# Altium PCB Mutiple_V1.PcbDoc (part 3 of 3)
Units mil, origin at the board's own origin, x right, y up, seen from the top; angles counter-clockwise.
Board outline 6720 x 5120 mil, 2 copper layers (Top Layer, Bottom Layer); 514 components, 299 nets, 1181 pads, 177 vias.
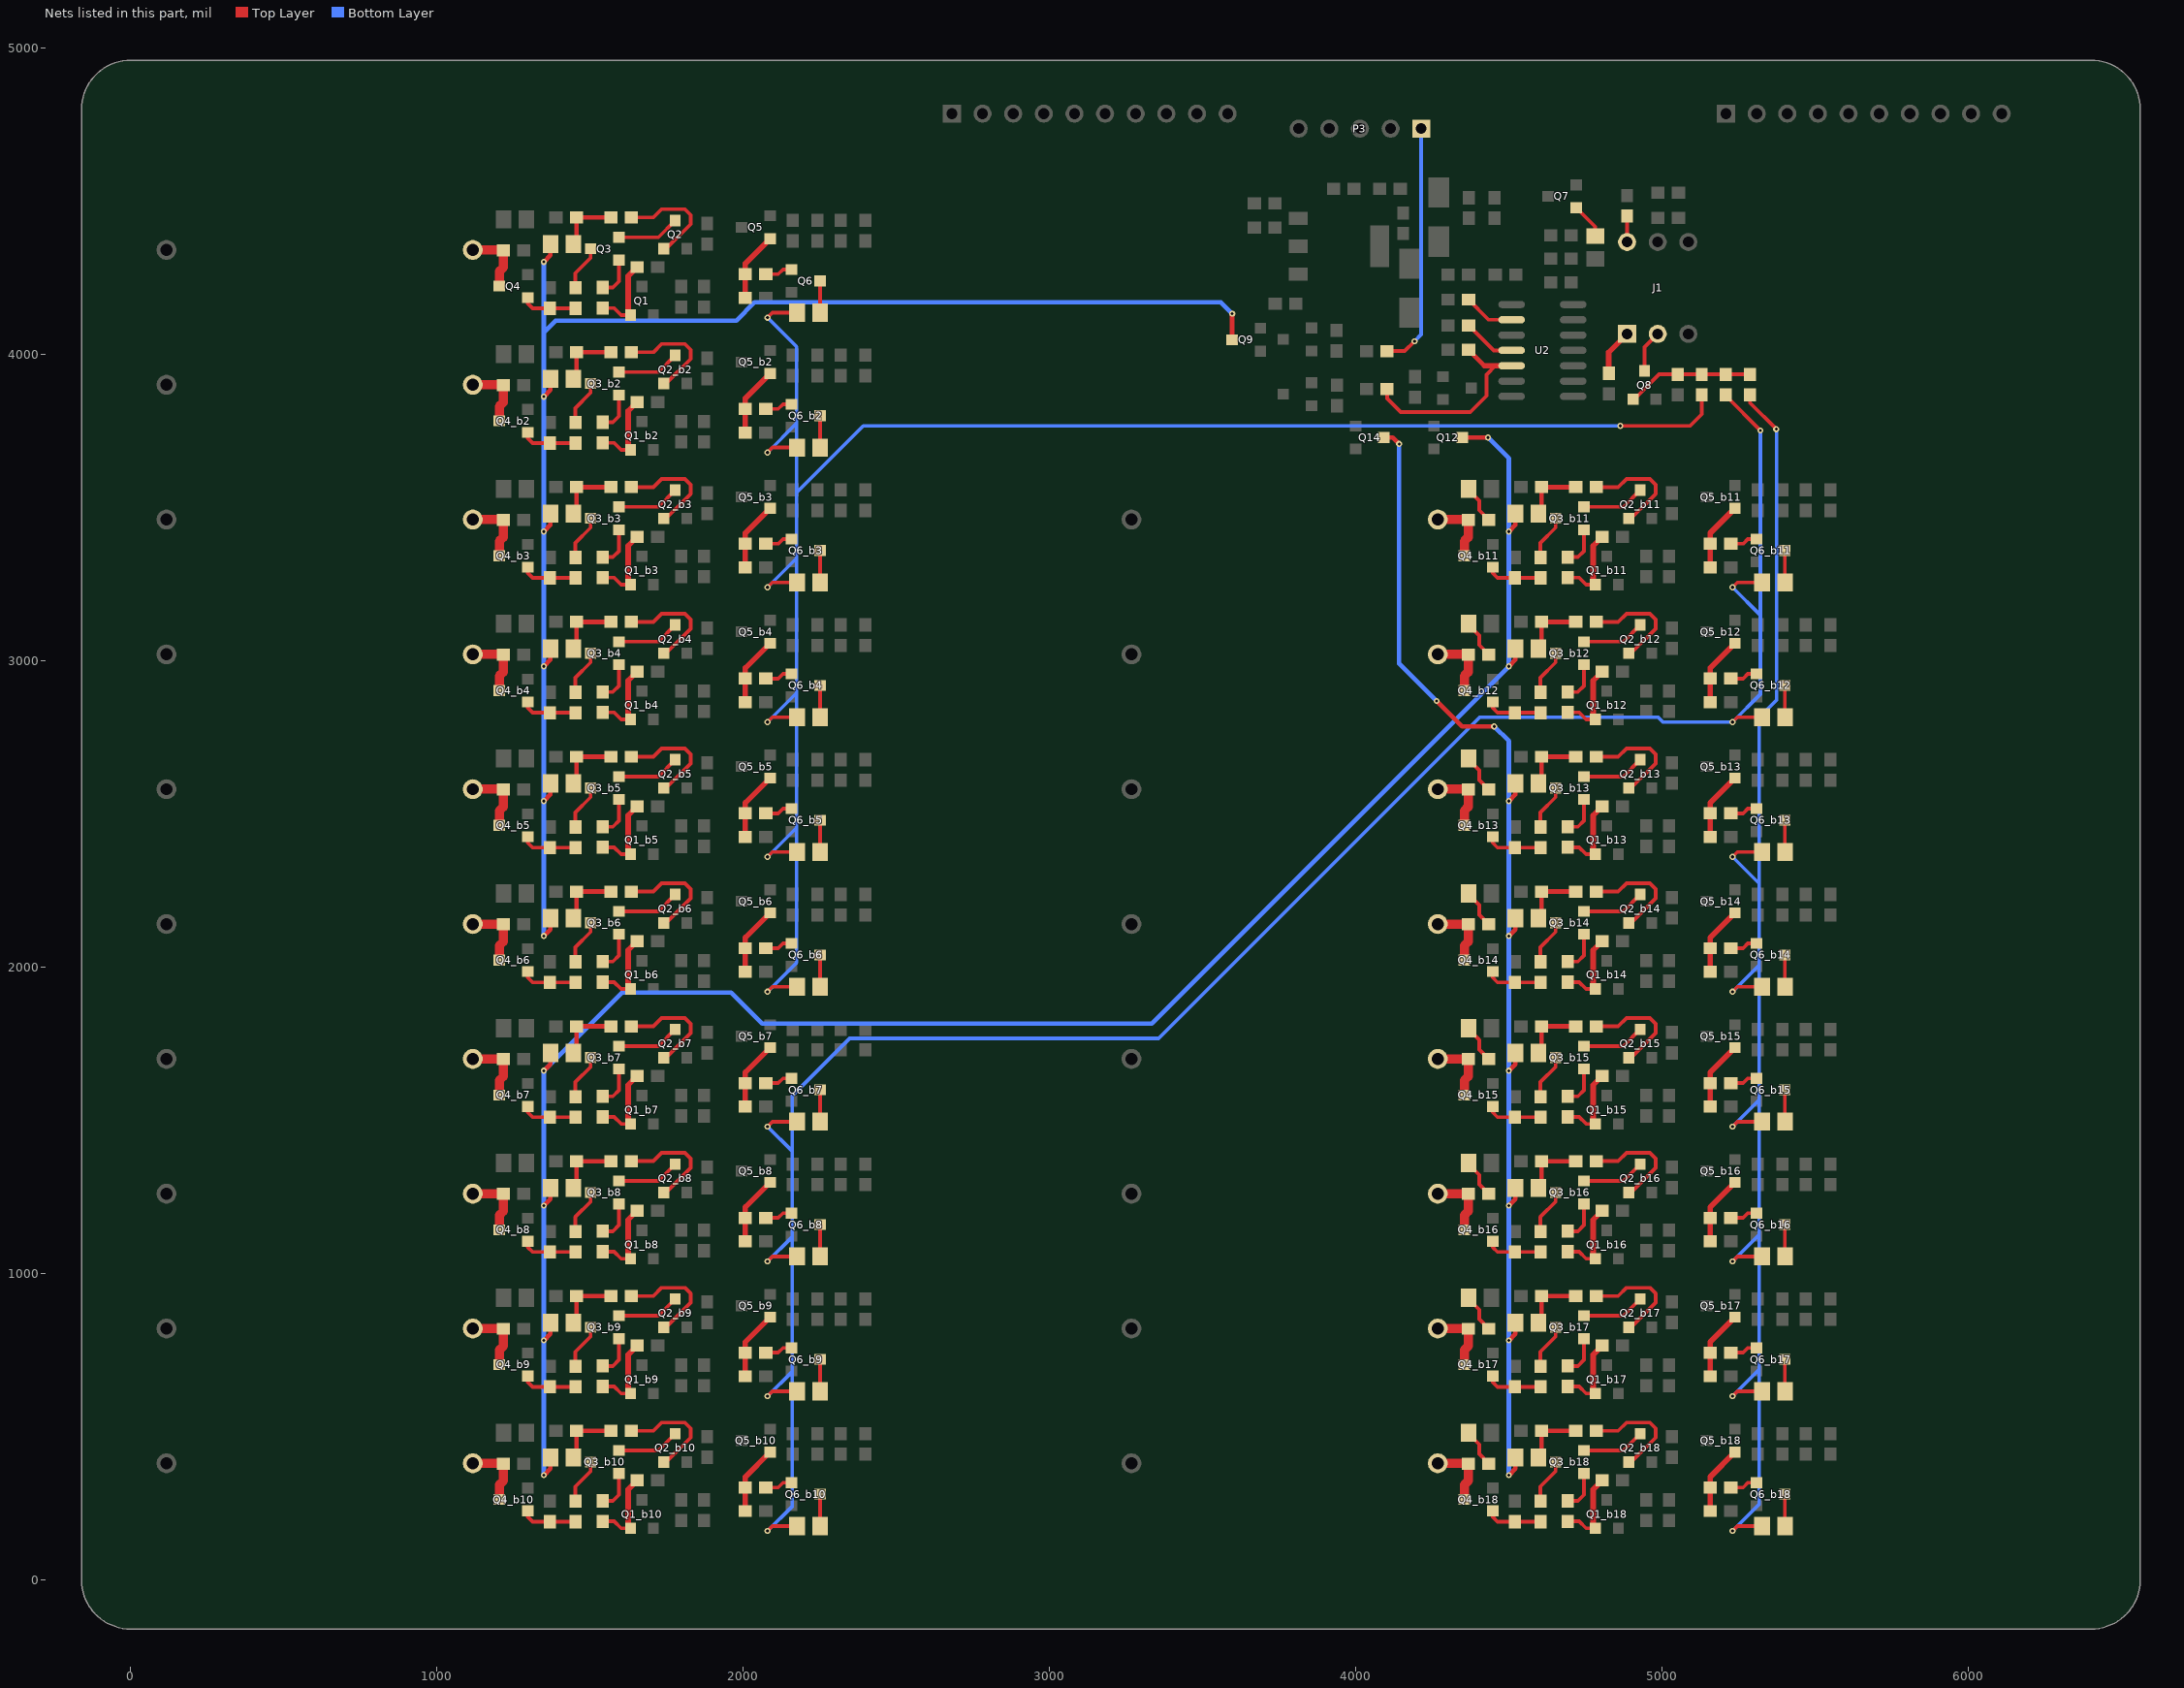
[diagram p3: the nets of this part, all layers, seen from the top]

## Via types
v1: diameter 20, hole 10, Top Layer to Bottom Layer, 115 vias
v2: diameter 40, hole 20, Top Layer to Bottom Layer, 58 vias
v3: diameter 125.98, hole 125.98, Top Layer to Bottom Layer, 4 vias

## Nets (pads, with @x,y where several pads share a name; then routed paths per layer and width w, separated by ;. In a path a pad name is that pad's centre, name@x,y a point inside that pad or via, vN(x,y) a via of type N, cw(c..) or ccw(c..) an arc to the next point about the centre after c; other vN are vias at no path point) (continued)
NetD1_b11_2: D1_b11.2 R10_b11.2 | length 128.3
  Top Layer w12: D1_b11.2@4367.6,3561 4367.6,3556.87 4402,3522.47 4402,3491.46 R10_b11.2@4433.46,3460
NetD1_b12_2: D1_b12.2 R10_b12.2 | length 128.3
  Top Layer w12: D1_b12.2@4367.6,3121 4367.6,3116.87 4402,3082.47 4402,3051.46 R10_b12.2@4433.46,3020
NetD1_b13_2: D1_b13.2 R10_b13.2 | length 128.3
  Top Layer w12: D1_b13.2@4367.6,2681 4367.6,2676.87 4402,2642.47 4402,2611.46 R10_b13.2@4433.46,2580
NetD1_b14_2: D1_b14.2 R10_b14.2 | length 128.3
  Top Layer w12: D1_b14.2@4367.6,2241 4367.6,2236.87 4402,2202.47 4402,2171.46 R10_b14.2@4433.46,2140
NetD1_b15_2: D1_b15.2 R10_b15.2 | length 128.3
  Top Layer w12: D1_b15.2@4367.6,1801 4367.6,1796.87 4402,1762.47 4402,1731.46 R10_b15.2@4433.46,1700
NetD1_b16_2: D1_b16.2 R10_b16.2 | length 128.3
  Top Layer w12: D1_b16.2@4367.6,1361 4367.6,1356.87 4402,1322.47 4402,1291.46 R10_b16.2@4433.46,1260
NetD1_b17_2: D1_b17.2 R10_b17.2 | length 128.3
  Top Layer w12: D1_b17.2@4367.6,921 4367.6,916.87 4402,882.47 4402,851.46 R10_b17.2@4433.46,820
NetD1_b18_2: D1_b18.2 R10_b18.2 | length 128.3
  Top Layer w12: D1_b18.2@4367.6,481 4367.6,476.87 4402,442.47 4402,411.46 R10_b18.2@4433.46,380
NetD2_1: D2.1 Q6.3 | length 103.9
  Top Layer w12: D2.1@2250.26,4136.14 Q6.3@2250.26,4240
NetD2_b2_1: D2_b2.1 Q6_b2.3 | length 103.9
  Top Layer w12: D2_b2.1@2250.26,3696.14 Q6_b2.3@2250.26,3800
NetD2_b3_1: D2_b3.1 Q6_b3.3 | length 103.9
  Top Layer w12: D2_b3.1@2250.26,3256.14 Q6_b3.3@2250.26,3360
NetD2_b4_1: D2_b4.1 Q6_b4.3 | length 103.9
  Top Layer w12: D2_b4.1@2250.26,2816.14 Q6_b4.3@2250.26,2920
NetD2_b5_1: D2_b5.1 Q6_b5.3 | length 103.9
  Top Layer w12: D2_b5.1@2250.26,2376.14 Q6_b5.3@2250.26,2480
NetD2_b6_1: D2_b6.1 Q6_b6.3 | length 103.9
  Top Layer w12: D2_b6.1@2250.26,1936.14 Q6_b6.3@2250.26,2040
NetD2_b7_1: D2_b7.1 Q6_b7.3 | length 103.9
  Top Layer w12: D2_b7.1@2250.26,1496.14 Q6_b7.3@2250.26,1600
NetD2_b8_1: D2_b8.1 Q6_b8.3 | length 103.9
  Top Layer w12: D2_b8.1@2250.26,1056.14 Q6_b8.3@2250.26,1160
NetD2_b9_1: D2_b9.1 Q6_b9.3 | length 103.9
  Top Layer w12: D2_b9.1@2250.26,616.14 Q6_b9.3@2250.26,720
NetD2_b10_1: D2_b10.1 Q6_b10.3 | length 103.9
  Top Layer w12: D2_b10.1@2250.26,176.14 Q6_b10.3@2250.26,280
NetD2_b11_1: D2_b11.1 Q6_b11.3 | length 103.9
  Top Layer w12: D2_b11.1@5400.26,3256.14 Q6_b11.3@5400.26,3360
NetD2_b12_1: D2_b12.1 Q6_b12.3 | length 103.9
  Top Layer w12: D2_b12.1@5400.26,2816.14 Q6_b12.3@5400.26,2920
NetD2_b13_1: D2_b13.1 Q6_b13.3 | length 103.9
  Top Layer w12: D2_b13.1@5400.26,2376.14 Q6_b13.3@5400.26,2480
NetD2_b14_1: D2_b14.1 Q6_b14.3 | length 103.9
  Top Layer w12: D2_b14.1@5400.26,1936.14 Q6_b14.3@5400.26,2040
NetD2_b15_1: D2_b15.1 Q6_b15.3 | length 103.9
  Top Layer w12: D2_b15.1@5400.26,1496.14 Q6_b15.3@5400.26,1600
NetD2_b16_1: D2_b16.1 Q6_b16.3 | length 103.9
  Top Layer w12: D2_b16.1@5400.26,1056.14 Q6_b16.3@5400.26,1160
NetD2_b17_1: D2_b17.1 Q6_b17.3 | length 103.9
  Top Layer w12: D2_b17.1@5400.26,616.14 Q6_b17.3@5400.26,720
NetD2_b18_1: D2_b18.1 Q6_b18.3 | length 103.9
  Top Layer w12: D2_b18.1@5400.26,176.14 Q6_b18.3@5400.26,280
NetD3_2: D3.2 Q7.1 | length 117.8
  Top Layer w12: Q7.1@4719.26,4478.6 4781,4416.86 D3.2@4781,4386.4
NetD6_1: D6.1 R4.2 R5.2 | length 203.2
  Top Layer w15: D6.1@1445.4,4360 1455.46,4370.06 R4.2@1455.46,4447 R5.2@1567.54,4447
NetD6_b2_1: D6_b2.1 R4_b2.2 R5_b2.2 | length 203.2
  Top Layer w15: D6_b2.1@1445.4,3920 1455.46,3930.06 R4_b2.2@1455.46,4007 R5_b2.2@1567.54,4007
NetD6_b3_1: D6_b3.1 R4_b3.2 R5_b3.2 | length 203.2
  Top Layer w15: D6_b3.1@1445.4,3480 1455.46,3490.06 R4_b3.2@1455.46,3567 R5_b3.2@1567.54,3567
NetD6_b4_1: D6_b4.1 R4_b4.2 R5_b4.2 | length 203.2
  Top Layer w15: D6_b4.1@1445.4,3040 1455.46,3050.06 R4_b4.2@1455.46,3127 R5_b4.2@1567.54,3127
NetD6_b5_1: D6_b5.1 R4_b5.2 R5_b5.2 | length 203.2
  Top Layer w15: D6_b5.1@1445.4,2600 1455.46,2610.06 R4_b5.2@1455.46,2687 R5_b5.2@1567.54,2687
NetD6_b6_1: D6_b6.1 R4_b6.2 R5_b6.2 | length 203.2
  Top Layer w15: D6_b6.1@1445.4,2160 1455.46,2170.06 R4_b6.2@1455.46,2247 R5_b6.2@1567.54,2247
NetD6_b7_1: D6_b7.1 R4_b7.2 R5_b7.2 | length 203.2
  Top Layer w15: D6_b7.1@1445.4,1720 1455.46,1730.06 R4_b7.2@1455.46,1807 R5_b7.2@1567.54,1807
NetD6_b8_1: D6_b8.1 R4_b8.2 R5_b8.2 | length 203.2
  Top Layer w15: D6_b8.1@1445.4,1280 1455.46,1290.06 R4_b8.2@1455.46,1367 R5_b8.2@1567.54,1367
NetD6_b9_1: D6_b9.1 R4_b9.2 R5_b9.2 | length 203.2
  Top Layer w15: D6_b9.1@1445.4,840 1455.46,850.06 R4_b9.2@1455.46,927 R5_b9.2@1567.54,927
NetD6_b10_1: D6_b10.1 R4_b10.2 R5_b10.2 | length 203.2
  Top Layer w15: D6_b10.1@1445.4,400 1455.46,410.06 R4_b10.2@1455.46,487 R5_b10.2@1567.54,487
NetD6_b11_1: D6_b11.1 R4_b11.2 R5_b11.2 | length 203.2
  Top Layer w15: D6_b11.1@4595.4,3480 4605.46,3490.06 R4_b11.2@4605.46,3567 R5_b11.2@4717.54,3567
NetD6_b12_1: D6_b12.1 R4_b12.2 R5_b12.2 | length 203.2
  Top Layer w15: D6_b12.1@4595.4,3040 4605.46,3050.06 R4_b12.2@4605.46,3127 R5_b12.2@4717.54,3127
NetD6_b13_1: D6_b13.1 R4_b13.2 R5_b13.2 | length 203.2
  Top Layer w15: D6_b13.1@4595.4,2600 4605.46,2610.06 R4_b13.2@4605.46,2687 R5_b13.2@4717.54,2687
NetD6_b14_1: D6_b14.1 R4_b14.2 R5_b14.2 | length 203.2
  Top Layer w15: D6_b14.1@4595.4,2160 4605.46,2170.06 R4_b14.2@4605.46,2247 R5_b14.2@4717.54,2247
NetD6_b15_1: D6_b15.1 R4_b15.2 R5_b15.2 | length 203.2
  Top Layer w15: D6_b15.1@4595.4,1720 4605.46,1730.06 R4_b15.2@4605.46,1807 R5_b15.2@4717.54,1807
NetD6_b16_1: D6_b16.1 R4_b16.2 R5_b16.2 | length 203.2
  Top Layer w15: D6_b16.1@4595.4,1280 4605.46,1290.06 R4_b16.2@4605.46,1367 R5_b16.2@4717.54,1367
NetD6_b17_1: D6_b17.1 R4_b17.2 R5_b17.2 | length 203.2
  Top Layer w15: D6_b17.1@4595.4,840 4605.46,850.06 R4_b17.2@4605.46,927 R5_b17.2@4717.54,927
NetD6_b18_1: D6_b18.1 R4_b18.2 R5_b18.2 | length 203.2
  Top Layer w15: D6_b18.1@4595.4,400 4605.46,410.06 R4_b18.2@4605.46,487 R5_b18.2@4717.54,487
NetJ1_1: J1.1 R16.2 | length 153.4
  Top Layer w18: R16.2@4825,3938.46 4825,4007 J1.1@4885,4067
NetJ1_2: J1.2 Q8.3 | length 138.6
  Top Layer w12: Q8.3@4942,3946.26 4942,4024 J1.2@4985,4067
NetJ1_6: J1.6 R17.1 | length 84.5
  Top Layer w12: J1.6@4885,4367 R17.1@4885,4451.54
NetQ1_1: Q1.1 R3.1 R6.2 | length 271.7
  Top Layer w12: R6.2@1541,4151.54 1578.46,4151.54 1601.26,4128.74 Q1.1@1631.6,4128.74
  Top Layer w18: Q1.1@1631.6,4128.74 1624,4136.34 1624,4255.46 R3.1@1653.54,4285
NetQ1_b2_1: Q1_b2.1 R3_b2.1 R6_b2.2 | length 271.7
  Top Layer w12: R6_b2.2@1541,3711.54 1578.46,3711.54 1601.26,3688.74 Q1_b2.1@1631.6,3688.74
  Top Layer w18: Q1_b2.1@1631.6,3688.74 1624,3696.34 1624,3815.46 R3_b2.1@1653.54,3845
NetQ1_b3_1: Q1_b3.1 R3_b3.1 R6_b3.2 | length 271.7
  Top Layer w12: R6_b3.2@1541,3271.54 1578.46,3271.54 1601.26,3248.74 Q1_b3.1@1631.6,3248.74
  Top Layer w18: Q1_b3.1@1631.6,3248.74 1624,3256.34 1624,3375.46 R3_b3.1@1653.54,3405
NetQ1_b4_1: Q1_b4.1 R3_b4.1 R6_b4.2 | length 271.7
  Top Layer w12: R6_b4.2@1541,2831.54 1578.46,2831.54 1601.26,2808.74 Q1_b4.1@1631.6,2808.74
  Top Layer w18: Q1_b4.1@1631.6,2808.74 1624,2816.34 1624,2935.46 R3_b4.1@1653.54,2965
NetQ1_b5_1: Q1_b5.1 R3_b5.1 R6_b5.2 | length 271.7
  Top Layer w12: R6_b5.2@1541,2391.54 1578.46,2391.54 1601.26,2368.74 Q1_b5.1@1631.6,2368.74
  Top Layer w18: Q1_b5.1@1631.6,2368.74 1624,2376.34 1624,2495.46 R3_b5.1@1653.54,2525
NetQ1_b6_1: Q1_b6.1 R3_b6.1 R6_b6.2 | length 271.7
  Top Layer w12: R6_b6.2@1541,1951.54 1578.46,1951.54 1601.26,1928.74 Q1_b6.1@1631.6,1928.74
  Top Layer w18: Q1_b6.1@1631.6,1928.74 1624,1936.34 1624,2055.46 R3_b6.1@1653.54,2085
NetQ1_b7_1: Q1_b7.1 R3_b7.1 R6_b7.2 | length 271.7
  Top Layer w12: R6_b7.2@1541,1511.54 1578.46,1511.54 1601.26,1488.74 Q1_b7.1@1631.6,1488.74
  Top Layer w18: Q1_b7.1@1631.6,1488.74 1624,1496.34 1624,1615.46 R3_b7.1@1653.54,1645
NetQ1_b8_1: Q1_b8.1 R3_b8.1 R6_b8.2 | length 271.7
  Top Layer w12: R6_b8.2@1541,1071.54 1578.46,1071.54 1601.26,1048.74 Q1_b8.1@1631.6,1048.74
  Top Layer w18: Q1_b8.1@1631.6,1048.74 1624,1056.34 1624,1175.46 R3_b8.1@1653.54,1205
NetQ1_b9_1: Q1_b9.1 R3_b9.1 R6_b9.2 | length 271.7
  Top Layer w12: R6_b9.2@1541,631.54 1578.46,631.54 1601.26,608.74 Q1_b9.1@1631.6,608.74
  Top Layer w18: Q1_b9.1@1631.6,608.74 1624,616.34 1624,735.46 R3_b9.1@1653.54,765
NetQ1_b10_1: Q1_b10.1 R3_b10.1 R6_b10.2 | length 271.7
  Top Layer w12: R6_b10.2@1541,191.54 1578.46,191.54 1601.26,168.74 Q1_b10.1@1631.6,168.74
  Top Layer w18: Q1_b10.1@1631.6,168.74 1624,176.34 1624,295.46 R3_b10.1@1653.54,325
NetQ1_b11_1: Q1_b11.1 R3_b11.1 R6_b11.2 | length 271.7
  Top Layer w12: R6_b11.2@4691,3271.54 4728.46,3271.54 4751.26,3248.74 Q1_b11.1@4781.6,3248.74
  Top Layer w18: Q1_b11.1@4781.6,3248.74 4774,3256.34 4774,3375.46 R3_b11.1@4803.54,3405
NetQ1_b12_1: Q1_b12.1 R3_b12.1 R6_b12.2 | length 271.7
  Top Layer w12: R6_b12.2@4691,2831.54 4728.46,2831.54 4751.26,2808.74 Q1_b12.1@4781.6,2808.74
  Top Layer w18: Q1_b12.1@4781.6,2808.74 4774,2816.34 4774,2935.46 R3_b12.1@4803.54,2965
NetQ1_b13_1: Q1_b13.1 R3_b13.1 R6_b13.2 | length 271.7
  Top Layer w12: R6_b13.2@4691,2391.54 4728.46,2391.54 4751.26,2368.74 Q1_b13.1@4781.6,2368.74
  Top Layer w18: Q1_b13.1@4781.6,2368.74 4774,2376.34 4774,2495.46 R3_b13.1@4803.54,2525
NetQ1_b14_1: Q1_b14.1 R3_b14.1 R6_b14.2 | length 271.7
  Top Layer w12: R6_b14.2@4691,1951.54 4728.46,1951.54 4751.26,1928.74 Q1_b14.1@4781.6,1928.74
  Top Layer w18: Q1_b14.1@4781.6,1928.74 4774,1936.34 4774,2055.46 R3_b14.1@4803.54,2085
NetQ1_b15_1: Q1_b15.1 R3_b15.1 R6_b15.2 | length 271.7
  Top Layer w12: R6_b15.2@4691,1511.54 4728.46,1511.54 4751.26,1488.74 Q1_b15.1@4781.6,1488.74
  Top Layer w18: Q1_b15.1@4781.6,1488.74 4774,1496.34 4774,1615.46 R3_b15.1@4803.54,1645
NetQ1_b16_1: Q1_b16.1 R3_b16.1 R6_b16.2 | length 271.7
  Top Layer w12: R6_b16.2@4691,1071.54 4728.46,1071.54 4751.26,1048.74 Q1_b16.1@4781.6,1048.74
  Top Layer w18: Q1_b16.1@4781.6,1048.74 4774,1056.34 4774,1175.46 R3_b16.1@4803.54,1205
NetQ1_b17_1: Q1_b17.1 R3_b17.1 R6_b17.2 | length 271.7
  Top Layer w12: R6_b17.2@4691,631.54 4728.46,631.54 4751.26,608.74 Q1_b17.1@4781.6,608.74
  Top Layer w18: Q1_b17.1@4781.6,608.74 4774,616.34 4774,735.46 R3_b17.1@4803.54,765
NetQ1_b18_1: Q1_b18.1 R3_b18.1 R6_b18.2 | length 271.7
  Top Layer w12: R6_b18.2@4691,191.54 4728.46,191.54 4751.26,168.74 Q1_b18.1@4781.6,168.74
  Top Layer w18: Q1_b18.1@4781.6,168.74 4774,176.34 4774,295.46 R3_b18.1@4803.54,325
NetQ2_1: Q2.1 R5.1 | length 363.2
  Top Layer w12: R5.1@1634.46,4447 1706,4447 1733,4474 1809,4474 1828,4455 1828,4425 1747.74,4344.74 Q2.1@1740.6,4344.74
NetQ2_3: Q2.3 Q3.2 | length 206.5
  Top Layer w12: Q3.2@1594.26,4382.4 1723.14,4382.4 Q2.3@1778,4437.26
NetQ2_b2_1: Q2_b2.1 R5_b2.1 | length 363.2
  Top Layer w12: R5_b2.1@1634.46,4007 1706,4007 1733,4034 1809,4034 1828,4015 1828,3985 1747.74,3904.74 Q2_b2.1@1740.6,3904.74
NetQ2_b2_3: Q2_b2.3 Q3_b2.2 | length 206.5
  Top Layer w12: Q3_b2.2@1594.26,3942.4 1723.14,3942.4 Q2_b2.3@1778,3997.26
NetQ2_b3_1: Q2_b3.1 R5_b3.1 | length 363.2
  Top Layer w12: R5_b3.1@1634.46,3567 1706,3567 1733,3594 1809,3594 1828,3575 1828,3545 1747.74,3464.74 Q2_b3.1@1740.6,3464.74
NetQ2_b3_3: Q2_b3.3 Q3_b3.2 | length 206.5
  Top Layer w12: Q3_b3.2@1594.26,3502.4 1723.14,3502.4 Q2_b3.3@1778,3557.26
NetQ2_b4_1: Q2_b4.1 R5_b4.1 | length 363.2
  Top Layer w12: R5_b4.1@1634.46,3127 1706,3127 1733,3154 1809,3154 1828,3135 1828,3105 1747.74,3024.74 Q2_b4.1@1740.6,3024.74
NetQ2_b4_3: Q2_b4.3 Q3_b4.2 | length 206.5
  Top Layer w12: Q3_b4.2@1594.26,3062.4 1723.14,3062.4 Q2_b4.3@1778,3117.26
NetQ2_b5_1: Q2_b5.1 R5_b5.1 | length 363.2
  Top Layer w12: R5_b5.1@1634.46,2687 1706,2687 1733,2714 1809,2714 1828,2695 1828,2665 1747.74,2584.74 Q2_b5.1@1740.6,2584.74
NetQ2_b5_3: Q2_b5.3 Q3_b5.2 | length 206.5
  Top Layer w12: Q3_b5.2@1594.26,2622.4 1723.14,2622.4 Q2_b5.3@1778,2677.26
NetQ2_b6_1: Q2_b6.1 R5_b6.1 | length 363.2
  Top Layer w12: R5_b6.1@1634.46,2247 1706,2247 1733,2274 1809,2274 1828,2255 1828,2225 1747.74,2144.74 Q2_b6.1@1740.6,2144.74
NetQ2_b6_3: Q2_b6.3 Q3_b6.2 | length 206.5
  Top Layer w12: Q3_b6.2@1594.26,2182.4 1723.14,2182.4 Q2_b6.3@1778,2237.26
NetQ2_b7_1: Q2_b7.1 R5_b7.1 | length 363.2
  Top Layer w12: R5_b7.1@1634.46,1807 1706,1807 1733,1834 1809,1834 1828,1815 1828,1785 1747.74,1704.74 Q2_b7.1@1740.6,1704.74
NetQ2_b7_3: Q2_b7.3 Q3_b7.2 | length 206.5
  Top Layer w12: Q3_b7.2@1594.26,1742.4 1723.14,1742.4 Q2_b7.3@1778,1797.26
NetQ2_b8_1: Q2_b8.1 R5_b8.1 | length 363.2
  Top Layer w12: R5_b8.1@1634.46,1367 1706,1367 1733,1394 1809,1394 1828,1375 1828,1345 1747.74,1264.74 Q2_b8.1@1740.6,1264.74
NetQ2_b8_3: Q2_b8.3 Q3_b8.2 | length 206.5
  Top Layer w12: Q3_b8.2@1594.26,1302.4 1723.14,1302.4 Q2_b8.3@1778,1357.26
NetQ2_b9_1: Q2_b9.1 R5_b9.1 | length 363.2
  Top Layer w12: R5_b9.1@1634.46,927 1706,927 1733,954 1809,954 1828,935 1828,905 1747.74,824.74 Q2_b9.1@1740.6,824.74
NetQ2_b9_3: Q2_b9.3 Q3_b9.2 | length 206.5
  Top Layer w12: Q3_b9.2@1594.26,862.4 1723.14,862.4 Q2_b9.3@1778,917.26
NetQ2_b10_1: Q2_b10.1 R5_b10.1 | length 363.2
  Top Layer w12: R5_b10.1@1634.46,487 1706,487 1733,514 1809,514 1828,495 1828,465 1747.74,384.74 Q2_b10.1@1740.6,384.74
NetQ2_b10_3: Q2_b10.3 Q3_b10.2 | length 206.5
  Top Layer w12: Q3_b10.2@1594.26,422.4 1723.14,422.4 Q2_b10.3@1778,477.26
NetQ2_b11_1: Q2_b11.1 R5_b11.1 | length 363.2
  Top Layer w12: R5_b11.1@4784.46,3567 4856,3567 4883,3594 4959,3594 4978,3575 4978,3545 4897.74,3464.74 Q2_b11.1@4890.6,3464.74
NetQ2_b11_3: Q2_b11.3 Q3_b11.2 | length 206.5
  Top Layer w12: Q3_b11.2@4744.26,3502.4 4873.14,3502.4 Q2_b11.3@4928,3557.26
NetQ2_b12_1: Q2_b12.1 R5_b12.1 | length 363.2
  Top Layer w12: R5_b12.1@4784.46,3127 4856,3127 4883,3154 4959,3154 4978,3135 4978,3105 4897.74,3024.74 Q2_b12.1@4890.6,3024.74
NetQ2_b12_3: Q2_b12.3 Q3_b12.2 | length 206.5
  Top Layer w12: Q3_b12.2@4744.26,3062.4 4873.14,3062.4 Q2_b12.3@4928,3117.26
NetQ2_b13_1: Q2_b13.1 R5_b13.1 | length 363.2
  Top Layer w12: R5_b13.1@4784.46,2687 4856,2687 4883,2714 4959,2714 4978,2695 4978,2665 4897.74,2584.74 Q2_b13.1@4890.6,2584.74
NetQ2_b13_3: Q2_b13.3 Q3_b13.2 | length 206.5
  Top Layer w12: Q3_b13.2@4744.26,2622.4 4873.14,2622.4 Q2_b13.3@4928,2677.26
NetQ2_b14_1: Q2_b14.1 R5_b14.1 | length 363.2
  Top Layer w12: R5_b14.1@4784.46,2247 4856,2247 4883,2274 4959,2274 4978,2255 4978,2225 4897.74,2144.74 Q2_b14.1@4890.6,2144.74
NetQ2_b14_3: Q2_b14.3 Q3_b14.2 | length 206.5
  Top Layer w12: Q3_b14.2@4744.26,2182.4 4873.14,2182.4 Q2_b14.3@4928,2237.26
NetQ2_b15_1: Q2_b15.1 R5_b15.1 | length 363.2
  Top Layer w12: R5_b15.1@4784.46,1807 4856,1807 4883,1834 4959,1834 4978,1815 4978,1785 4897.74,1704.74 Q2_b15.1@4890.6,1704.74
NetQ2_b15_3: Q2_b15.3 Q3_b15.2 | length 206.5
  Top Layer w12: Q3_b15.2@4744.26,1742.4 4873.14,1742.4 Q2_b15.3@4928,1797.26
NetQ2_b16_1: Q2_b16.1 R5_b16.1 | length 363.2
  Top Layer w12: R5_b16.1@4784.46,1367 4856,1367 4883,1394 4959,1394 4978,1375 4978,1345 4897.74,1264.74 Q2_b16.1@4890.6,1264.74
NetQ2_b16_3: Q2_b16.3 Q3_b16.2 | length 206.5
  Top Layer w12: Q3_b16.2@4744.26,1302.4 4873.14,1302.4 Q2_b16.3@4928,1357.26
NetQ2_b17_1: Q2_b17.1 R5_b17.1 | length 363.2
  Top Layer w12: R5_b17.1@4784.46,927 4856,927 4883,954 4959,954 4978,935 4978,905 4897.74,824.74 Q2_b17.1@4890.6,824.74
NetQ2_b17_3: Q2_b17.3 Q3_b17.2 | length 206.5
  Top Layer w12: Q3_b17.2@4744.26,862.4 4873.14,862.4 Q2_b17.3@4928,917.26
NetQ2_b18_1: Q2_b18.1 R5_b18.1 | length 363.2
  Top Layer w12: R5_b18.1@4784.46,487 4856,487 4883,514 4959,514 4978,495 4978,465 4897.74,384.74 Q2_b18.1@4890.6,384.74
NetQ2_b18_3: Q2_b18.3 Q3_b18.2 | length 206.5
  Top Layer w12: Q3_b18.2@4744.26,422.4 4873.14,422.4 Q2_b18.3@4928,477.26